# KiCad board popstar_v4.1_no_flex.kicad_pcb
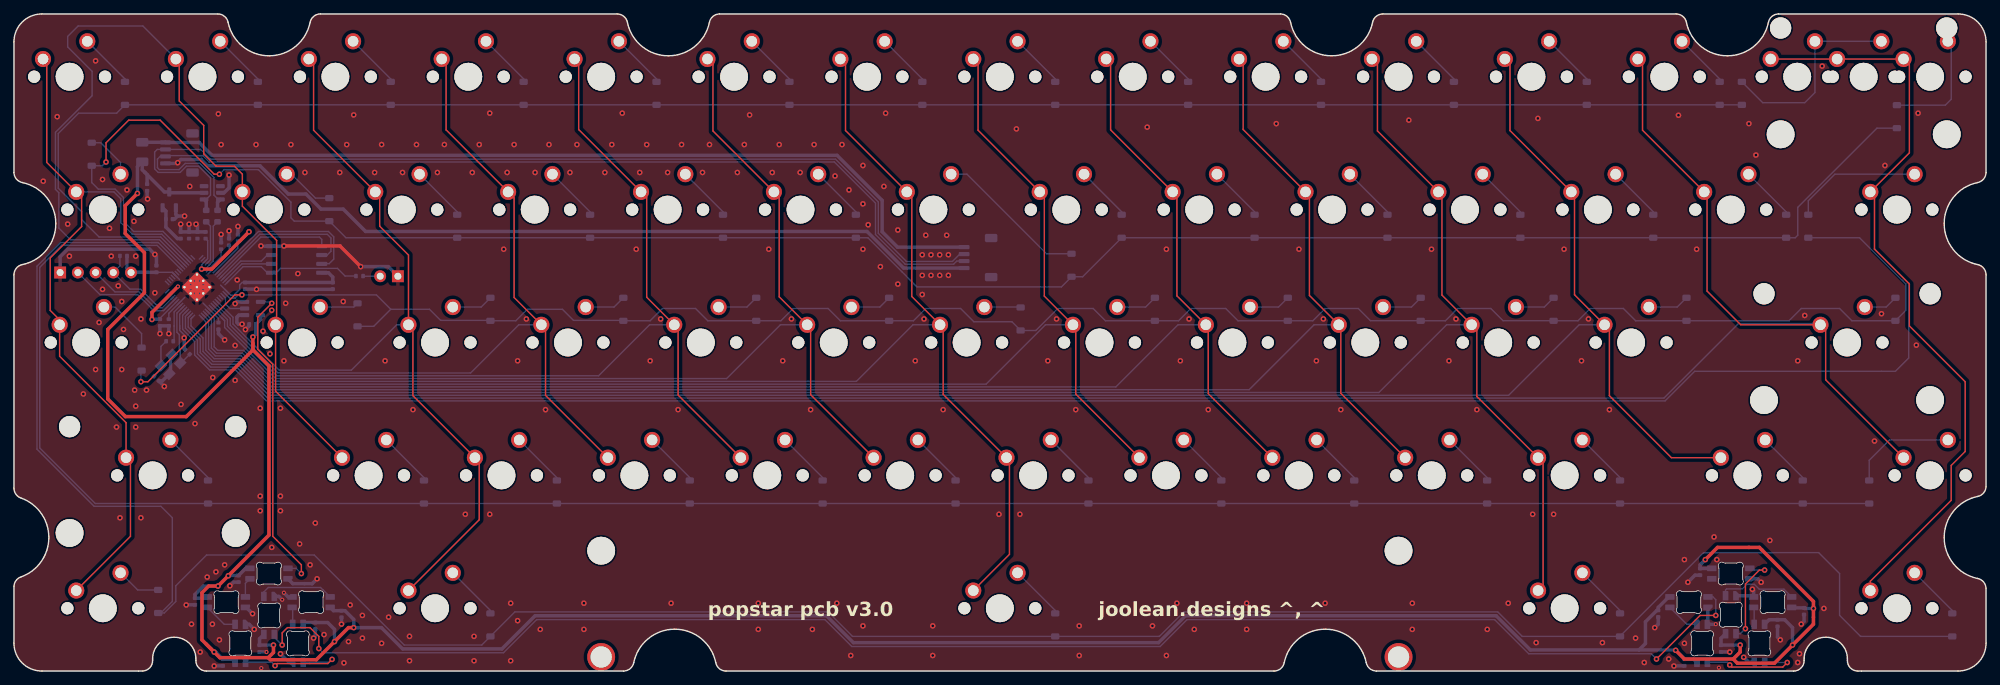
[diagram p0: board, top side]
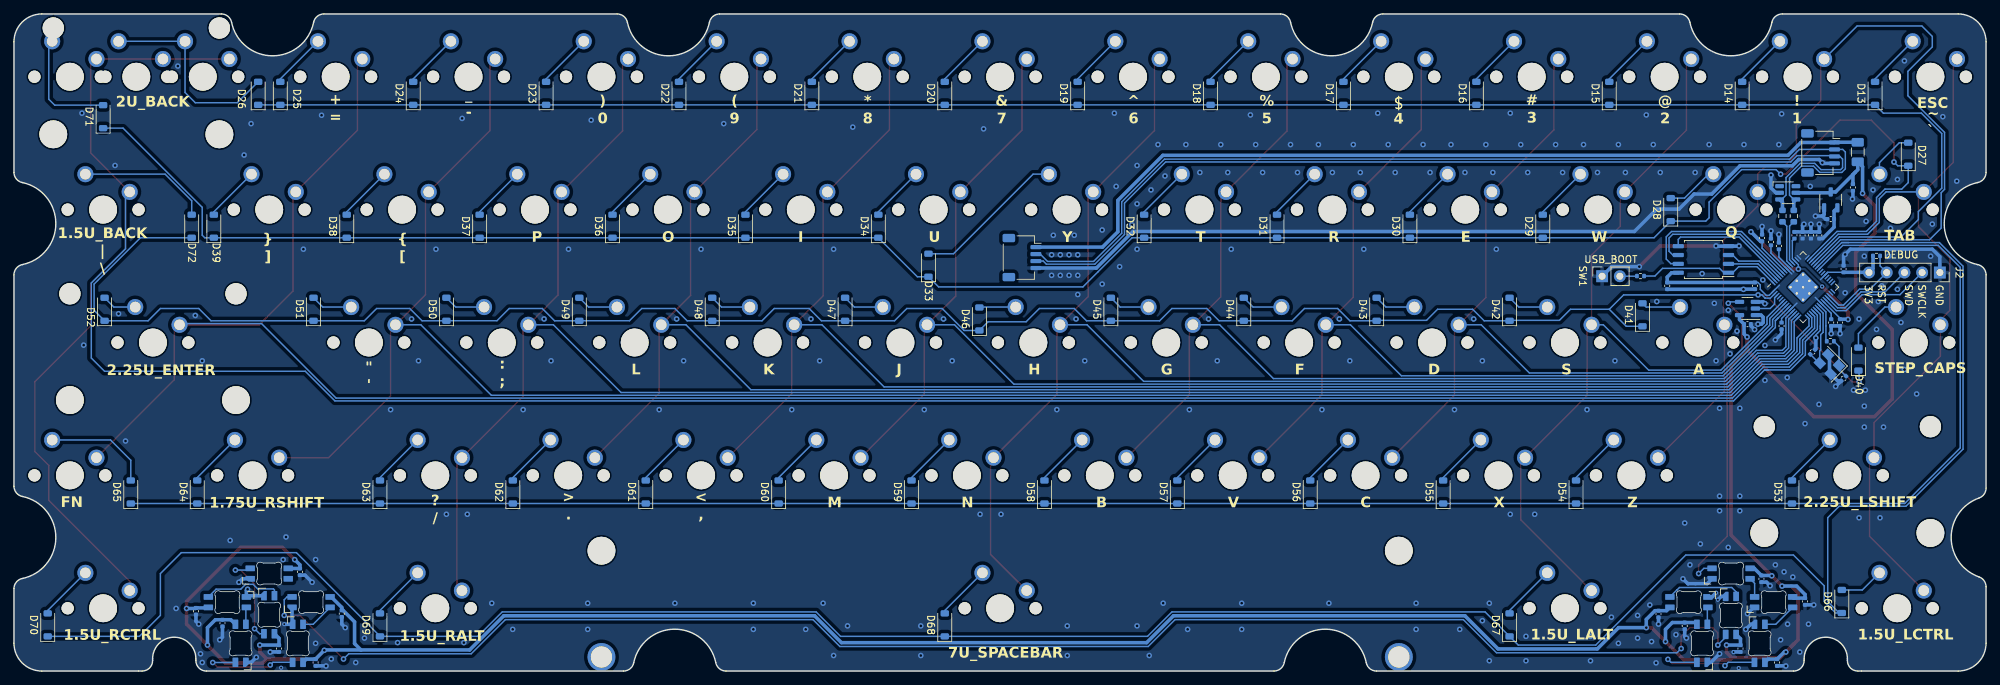
[diagram p1: board, bottom side, seen from below]

Outline 282.69 x 94.2 mm; copper layers: Top, Bottom. Coordinates in mm from the lower left corner of the outline.
Outline path: 0,90.2 arc(1.17,93.03) 4,94.2 29.23,94.2 arc(30.18,93.86) 30.7,93 arc(36.58,88.2) 42.45,93 arc(42.97,93.86) 43.92,94.2 86.47,94.2 arc(87.41,93.86) 87.93,93 arc(93.81,88.2) 99.69,93 arc(100.21,93.86) 101.16,94.2 181.53,94.2 arc(182.48,93.86) 183,93 arc(188.88,88.2) 194.76,93 arc(195.28,93.86) 196.23,94.2 238.27,94.2 arc(239.22,93.86) 239.74,93 arc(245.62,88.2) 251.5,93 arc(252.02,93.86) 252.97,94.2 278.69,94.2 arc(281.52,93.03) 282.69,90.2 282.69,71.5 arc(282.35,70.55) 281.49,70.03 arc(276.69,64.15) 281.49,58.27 arc(282.35,57.75) 282.69,56.8 282.69,26.5 arc(282.35,25.55) 281.49,25.03 arc(276.69,19.15) 281.49,13.27 arc(282.35,12.75) 282.69,11.8 282.69,4 arc(281.52,1.17) 278.69,0 264.31,0 arc(263.25,0.44) 262.81,1.5 262.81,1.75 arc(259.71,4.85) 256.61,1.75 256.61,1.5 arc(256.18,0.44) 255.11,0 195.32,0 arc(194.37,0.34) 193.85,1.2 arc(187.97,6) 182.09,1.2 arc(181.57,0.34) 180.62,0 102.07,0 arc(101.12,0.34) 100.6,1.2 arc(94.73,6) 88.85,1.2 arc(88.33,0.34) 87.38,0 27.58,0 arc(26.52,0.44) 26.08,1.5 26.08,1.75 arc(22.98,4.85) 19.88,1.75 19.88,1.5 arc(19.44,0.44) 18.38,0 4,0 arc(1.17,1.17) 0,4 0,12.08 arc(0.28,12.94) 1,13.49 arc(5,19.15) 1,24.81 arc(0.28,25.35) 0,26.22 0,56.8 arc(0.34,57.75) 1.2,58.27 arc(6,64.15) 1.2,70.03 arc(0.34,70.55) 0,71.5 0,90.2
Stack: Top 0.035mm / dielectric 1.51mm FR4 er 4.5 / Bottom 0.035mm

## Placement (name value [footprint] x y rotation side)
C1  1uF  [C_0402_1005Metric]  32.11 62.09 90 bottom
C2  100nF  [C_0402_1005Metric]  27.47 62.47 90 bottom
C3  100nF  [C_0402_1005Metric]  20.93 49.96 270 bottom
C4  10uF  [C_0402_1005Metric]  23.9 62.47 90 bottom
C5  1uF  [C_0402_1005Metric]  33.12 55.23 270 bottom
C6  100nF  [C_0402_1005Metric]  25.1 62.47 90 bottom
C7  100nF  [C_0402_1005Metric]  30.84 61.51 90 bottom
C8  100nF  [C_0402_1005Metric]  20.42 57.64 90 bottom
C9  100nF  [C_0402_1005Metric]  22.2 49.96 270 bottom
C10  100nF  [C_0402_1005Metric]  26.3 62.47 90 bottom
C11  100nF  [C_0402_1005Metric]  29.69 60.94 90 bottom
C12  100nF  [C_0402_1005Metric]  29.31 49.47 270 bottom
C13  22pF  [C_0402_1005Metric]  24.86 45.75 315 bottom
C14  22pF  [C_0402_1005Metric]  20.42 41.94 135 bottom
C15  1uF  [C_0402_1005Metric]  19.09 69.32 270 bottom
C16  1uF  [C_0402_1005Metric]  22.26 64.78 0 bottom
C17  100nF  [C_0402_1005Metric]  45.7 55.22 270 bottom
C18  100nF  [C_0402_1005Metric]  34.2 49.72 180 bottom
C19  100nF  [C_0402_1005Metric]  32.2 13.22 270 bottom
C20  100nF  [C_0402_1005Metric]  25.95 9.97 270 bottom
C21  100nF  [C_0402_1005Metric]  29.95 1.22 270 bottom
C22  100nF  [C_0402_1005Metric]  43.2 6.47 270 bottom
C23  100nF  [C_0402_1005Metric]  46.95 8.17 270 bottom
C24  100nF  [C_0402_1005Metric]  35.2 3.22 270 bottom
C25  100nF  [C_0402_1005Metric]  235.7 8.22 270 bottom
C26  100nF  [C_0402_1005Metric]  239.45 1.22 270 bottom
C27  100nF  [C_0402_1005Metric]  252.8 6.87 270 bottom
C28  100nF  [C_0402_1005Metric]  256.6 8.57 270 bottom
C29  100nF  [C_0402_1005Metric]  244.7 3.22 270 bottom
C30  100nF  [C_0402_1005Metric]  241.7 14.22 270 bottom
D1  SK6812MINI-E  [LED_6028R]  36.55 13.97 180 bottom
D2  SK6812MINI-E  [LED_6028R]  30.45 9.87 180 bottom
D3  SK6812MINI-E  [LED_6028R]  32.45 3.97 270 bottom
D4  SK6812MINI-E  [LED_6028R]  40.7 3.97 90 bottom
D5  SK6812MINI-E  [LED_6028R]  42.6 9.87 0 bottom
D6  SK6812MINI-E  [LED_6028R]  36.58 7.97 270 bottom
D7  SK6812MINI-E  [LED_6028R]  240.1 9.87 180 bottom
D8  SK6812MINI-E  [LED_6028R]  242 3.97 270 bottom
D9  SK6812MINI-E  [LED_6028R]  250.2 3.97 90 bottom
D10  SK6812MINI-E  [LED_6028R]  252.1 9.87 0 bottom
D11  SK6812MINI-E  [LED_6028R]  246.1 8.07 270 bottom
D12  SK6812MINI-E  [LED_6028R]  246.1 13.97 180 bottom
D13  D_Small  [D_SOD-123]  15.91 82.82 90 bottom
D14  D_Small  [D_SOD-123]  34.96 82.82 90 bottom
D15  D_Small  [D_SOD-123]  54.01 82.82 90 bottom
D16  D_Small  [D_SOD-123]  73.06 82.82 90 bottom
D17  D_Small  [D_SOD-123]  92.11 82.82 90 bottom
D18  D_Small  [D_SOD-123]  111.16 82.82 90 bottom
D19  D_Small  [D_SOD-123]  130.21 82.82 90 bottom
D20  D_Small  [D_SOD-123]  149.26 82.82 90 bottom
D21  D_Small  [D_SOD-123]  168.31 82.82 90 bottom
D22  D_Small  [D_SOD-123]  187.36 82.82 90 bottom
D23  D_Small  [D_SOD-123]  206.41 82.82 90 bottom
D24  D_Small  [D_SOD-123]  225.46 82.82 90 bottom
D25  D_Small  [D_SOD-123]  244.51 82.82 90 bottom
D26  D_Small  [D_SOD-123]  247.69 82.82 90 bottom
D27  D_Small  [D_SOD-123]  11.15 74.09 90 bottom
D28  D_Small  [D_SOD-123]  45.2 66.15 90 bottom
D29  D_Small  [D_SOD-123]  63.54 63.77 90 bottom
D30  D_Small  [D_SOD-123]  82.59 63.77 90 bottom
D31  D_Small  [D_SOD-123]  101.64 63.77 90 bottom
D32  D_Small  [D_SOD-123]  120.69 63.77 90 bottom
D33  D_Small  [D_SOD-123]  151.6 58.17 90 bottom
D34  D_Small  [D_SOD-123]  158.79 63.77 90 bottom
D35  D_Small  [D_SOD-123]  177.84 63.77 90 bottom
D36  D_Small  [D_SOD-123]  196.89 63.77 90 bottom
D37  D_Small  [D_SOD-123]  215.94 63.77 90 bottom
D38  D_Small  [D_SOD-123]  234.99 63.77 90 bottom
D39  D_Small  [D_SOD-123]  254.04 63.77 90 bottom
D40  D_Small  [D_SOD-123]  18.29 44.72 90 bottom
D41  D_Small  [D_SOD-123]  49.25 51.07 90 bottom
D42  D_Small  [D_SOD-123]  68.3 51.86 90 bottom
D43  D_Small  [D_SOD-123]  87.35 51.86 90 bottom
D44  D_Small  [D_SOD-123]  106.4 51.86 90 bottom
D45  D_Small  [D_SOD-123]  125.45 51.86 90 bottom
D46  D_Small  [D_SOD-123]  144.3 50.47 90 bottom
D47  D_Small  [D_SOD-123]  163.55 51.86 90 bottom
D48  D_Small  [D_SOD-123]  182.6 51.86 90 bottom
D49  D_Small  [D_SOD-123]  201.65 51.86 90 bottom
D50  D_Small  [D_SOD-123]  220.7 51.86 90 bottom
D51  D_Small  [D_SOD-123]  239.75 51.86 90 bottom
D52  D_Small  [D_SOD-123]  269.7 51.86 90 bottom
D53  D_Small  [D_SOD-123]  27.82 25.67 90 bottom
D54  D_Small  [D_SOD-123]  58.78 25.67 90 bottom
D55  D_Small  [D_SOD-123]  77.83 25.67 90 bottom
D56  D_Small  [D_SOD-123]  96.88 25.67 90 bottom
D57  D_Small  [D_SOD-123]  115.93 25.67 90 bottom
D58  D_Small  [D_SOD-123]  134.98 25.67 90 bottom
D59  D_Small  [D_SOD-123]  154.03 25.67 90 bottom
D60  D_Small  [D_SOD-123]  173.08 25.67 90 bottom
D61  D_Small  [D_SOD-123]  192.13 25.67 90 bottom
D62  D_Small  [D_SOD-123]  211.18 25.67 90 bottom
D63  D_Small  [D_SOD-123]  230.23 25.67 90 bottom
D64  D_Small  [D_SOD-123]  256.42 25.67 90 bottom
D65  D_Small  [D_SOD-123]  265.94 25.67 90 bottom
D66  D_Small  [D_SOD-123]  20.68 9.97 90 bottom
D67  D_Small  [D_SOD-123]  68.3 6.62 90 bottom
D68  D_Small  [D_SOD-123]  149.26 6.62 90 bottom
D69  D_Small  [D_SOD-123]  230.23 6.62 90 bottom
D70  D_Small  [D_SOD-123]  277.85 6.62 90 bottom
D71  D_Small  [D_SOD-123]  269.91 79.47 90 bottom
D72  D_Small  [D_SOD-123]  257.21 63.77 90 bottom
F1  500mA  [Fuse_1206_3216Metric]  18.39 74.4 270 bottom
J1  JST SH 4-pin  [JST_SH_SM04B-SRSS-TB_1x04-1MP_P1.00mm_Horizontal]  23.72 74.28 270 bottom
J2  SWD  [PinSocket_1x05_P2.54mm_Vertical]  6.62 57.13 270 bottom
J2#2  JST SH 4-pin  [JST_SH_SM04B-SRSS-TB_1x04-1MP_P1.00mm_Horizontal]  138.2 59.27 270 bottom
R1  10k  [R_0402_1005Metric]  15.7 59.51 180 bottom
R2  27R  [R_0603_1608Metric]  29.18 65.22 270 bottom
R3  27R  [R_0603_1608Metric]  27.56 65.22 270 bottom
R4  1k  [R_0402_1005Metric]  22.32 47.28 0 bottom
R5  1k  [R_0402_1005Metric]  49.53 56.62 180 bottom
S1  2U_BACKSPACE  [STAB_MX_2u]  265.15 85.2 0 top
S2  2.25_ANSI_ENTER  [STAB_MX_2.25u]  262.77 47.1 0 top
S3  7U_SPACEBAR  [STAB_MX_P_7u]  141.33 9 180 top
S4  2.25_LEFT_SHIFT  [STAB_MX_2.25u]  19.88 28.05 0 top
SW1  Boot  [PinSocket_1x02_P2.54mm_Vertical]  55.04 56.6 90 bottom
SW2  MX_SW_solder  [SW_MX_1u]  7.98 85.2 0 top
SW3  MX_SW_solder  [SW_MX_1u]  27.03 85.2 0 top
SW4  MX_SW_solder  [SW_MX_1u]  46.08 85.2 0 top
SW5  MX_SW_solder  [SW_MX_1u]  65.13 85.2 0 top
SW6  MX_SW_solder  [SW_MX_1u]  84.18 85.2 0 top
SW7  MX_SW_solder  [SW_MX_1u]  103.23 85.2 0 top
SW8  MX_SW_solder  [SW_MX_1u]  122.28 85.2 0 top
SW9  MX_SW_solder  [SW_MX_1u]  141.33 85.2 0 top
SW10  MX_SW_solder  [SW_MX_1u]  160.38 85.2 0 top
SW11  MX_SW_solder  [SW_MX_1u]  179.43 85.2 0 top
SW12  MX_SW_solder  [SW_MX_1u]  198.48 85.2 0 top
SW13  MX_SW_solder  [SW_MX_1u]  217.53 85.2 0 top
SW14  MX_SW_solder  [SW_MX_1u]  236.58 85.2 0 top
SW15  MX_SW_solder  [SW_MX_1u]  265.15 85.2 0 top
SW16  MX_SW_solder  [SW_MX_1u]  255.63 85.2 0 top
SW17  MX_SW_solder  [SW_MX_1.5u]  12.74 66.15 0 top
SW18  MX_SW_solder  [SW_MX_1u]  36.55 66.15 0 top
SW19  MX_SW_solder  [SW_MX_1u]  55.6 66.15 0 top
SW20  MX_SW_solder  [SW_MX_1u]  74.65 66.15 0 top
SW21  MX_SW_solder  [SW_MX_1u]  93.7 66.15 0 top
SW22  MX_SW_solder  [SW_MX_1u]  112.75 66.15 0 top
SW23  MX_SW_solder  [SW_MX_1u]  131.8 66.15 0 top
SW24  MX_SW_solder  [SW_MX_1u]  150.85 66.15 0 top
SW25  MX_SW_solder  [SW_MX_1u]  169.9 66.15 0 top
SW26  MX_SW_solder  [SW_MX_1u]  188.95 66.15 0 top
SW27  MX_SW_solder  [SW_MX_1u]  208 66.15 0 top
SW28  MX_SW_solder  [SW_MX_1u]  227.05 66.15 0 top
SW29  MX_SW_solder  [SW_MX_1u]  246.1 66.15 0 top
SW30  MX_SW_solder  [SW_MX_1.75u_stp]  10.36 47.1 0 top
SW31  MX_SW_solder  [SW_MX_1u]  41.31 47.1 0 top
SW32  MX_SW_solder  [SW_MX_1u]  60.36 47.1 0 top
SW33  MX_SW_solder  [SW_MX_1u]  79.41 47.1 0 top
SW34  MX_SW_solder  [SW_MX_1u]  98.46 47.1 0 top
SW35  MX_SW_solder  [SW_MX_1u]  117.51 47.1 0 top
SW36  MX_SW_solder  [SW_MX_1u]  136.56 47.1 0 top
SW37  MX_SW_solder  [SW_MX_1u]  155.61 47.1 0 top
SW38  MX_SW_solder  [SW_MX_1u]  174.66 47.1 0 top
SW39  MX_SW_solder  [SW_MX_1u]  193.71 47.1 0 top
SW40  MX_SW_solder  [SW_MX_1u]  212.76 47.1 0 top
SW41  MX_SW_solder  [SW_MX_1u]  231.81 47.1 0 top
SW42  MX_SW_solder  [SW_MX_1u]  262.77 47.1 0 top
SW43  MX_SW_solder  [SW_MX_1u]  19.88 28.05 0 top
SW44  MX_SW_solder  [SW_MX_1u]  50.84 28.05 0 top
SW45  MX_SW_solder  [SW_MX_1u]  69.89 28.05 0 top
SW46  MX_SW_solder  [SW_MX_1u]  88.94 28.05 0 top
SW47  MX_SW_solder  [SW_MX_1u]  107.99 28.05 0 top
SW48  MX_SW_solder  [SW_MX_1u]  127.04 28.05 0 top
SW49  MX_SW_solder  [SW_MX_1u]  146.09 28.05 0 top
SW50  MX_SW_solder  [SW_MX_1u]  165.14 28.05 0 top
SW51  MX_SW_solder  [SW_MX_1u]  184.19 28.05 0 top
SW52  MX_SW_solder  [SW_MX_1u]  203.24 28.05 0 top
SW53  MX_SW_solder  [SW_MX_1u]  222.29 28.05 0 top
SW54  MX_SW_solder  [SW_MX_1.75u]  248.48 28.05 0 top
SW55  MX_SW_solder  [SW_MX_1u]  274.68 28.05 0 top
SW56  MX_SW_solder  [SW_MX_1.5u]  12.74 9 0 top
SW57  MX_SW_solder  [SW_MX_1.5u]  60.36 9 0 top
SW58  MX_SW_solder  [SW_MX_1u]  141.33 9 0 top
SW59  MX_SW_solder  [SW_MX_1.5u]  222.29 9 0 top
SW60  MX_SW_solder  [SW_MX_1.5u]  269.91 9 0 top
SW61  MX_SW_solder  [SW_MX_1u]  274.68 85.2 0 top
SW62  MX_SW_solder  [SW_MX_1.5u]  269.91 66.15 0 top
U2  XC6206PxxxMR  [SOT-23-3]  22.26 67.55 90 bottom
U3  SRV05-4  [SOT-23-6-routable]  28.42 68.56 180 bottom
U4  W25Q128JVS  [SOIC-8_5.23x5.23mm_P1.27mm]  40.52 59.01 0 bottom
U5  74AHCT1G125  [SOT-23-5]  34.2 51.97 0 bottom
U6  RP2040  [RP2040-QFN-56]  26.23 55.04 135 bottom
Y1  12MHz  [Crystal_SMD_3225-4Pin_3.2x2.5mm]  22.45 43.97 45 bottom

## Library data of the parts
C1 C5 C15 C16 = -: Description: Unpolarized capacitor, small symbol; LCSC: C52923
C2 C3 C6 C9-C12 C17-C30 = -: Description: Unpolarized capacitor, small symbol; LCSC: C1525
C4 = -: Description: Unpolarized capacitor, small symbol; LCSC: C15525
C7 C8 = -: Description: Unpolarized capacitor, small symbol; LCSC: 1525
C13 C14 = -: Description: Unpolarized capacitor, small symbol; LCSC: C1555
D1-D12 = -: Description: Reverse mount adressable LED (WS2812 protocol); LCSC: C5149201; Field5: 1
D13-D72 = -: Description: Diode, small symbol; LCSC: C81598
F1 = -: Description: Resettable fuse, polymeric positive temperature coefficient, small symbol; LCSC: C135342
J1 J2#2 = -: Description: Generic connector, single row, 01x04, script generated (kicad-library-utils/schlib/autogen/connector/); LCSC: C160404
J2 = -: Description: Generic connector, single row, 01x05, script generated (kicad-library-utils/schlib/autogen/connector/)
R1 = -: Description: Resistor, small symbol; LCSC: C25744
R2 R3 = -: Description: Resistor, small symbol; LCSC: C25190
R4 R5 = -: Description: Resistor, small symbol; LCSC: C11702
S1-S4 = -: Description: Cherry MX-style stabilizer
SW1 = -: Description: Push button switch, generic, two pins
SW2-SW62 = -: Description: Push button switch, normally open, two pins, 45° tilted
U2 = -: Description: Positive 60-250mA Low Dropout Regulator, Fixed Output, SOT-23; LCSC: C5446
U3 = -: Description: ESD Protection Diodes with Low Clamping Voltage, SOT-23-6; LCSC: C85364
U4 = -: Description: 128Mb Serial Flash Memory, Standard/Dual/Quad SPI, SOIC-8; LCSC: C97521
U5 = -: Description: Single Buffer Gate Tri-State, Low-Voltage CMOS; LCSC: C7484
U6 = -: LCSC: C2040
Y1 = -: Description: Four pin crystal, GND on pins 2 and 4, small symbol; LCSC: C9002

## Footprints (pads in the part's own frame, mm; a bottom-side part is the same pattern mirrored in y, then rotated)
C_0402_1005Metric
  rrect 0.56x0.62 smd: 1(-0.48,0) 2(0.48,0)
Crystal_SMD_3225-4Pin_3.2x2.5mm
  rect 1.4x1.2 smd: 1(-1.1,-0.85) 2(1.1,-0.85) 3(1.1,0.85) 4(-1.1,0.85)
D_SOD-123
  rrect 0.9x1.2 smd: 1(-1.65,0) 2(1.65,0)
Fuse_1206_3216Metric
  rrect 1.25x1.75 smd: 1(-1.4,0) 2(1.4,0)
JST_SH_SM04B-SRSS-TB_1x04-1MP_P1.00mm_Horizontal
  rrect 0.6x1.55 smd: 1(-1.5,2) 2(-0.5,2) 3(0.5,2) 4(1.5,2)
  rrect 1.2x1.8 smd: MP(-2.8,-1.875) MP(2.8,-1.875)
LED_6028R
  rrect 1.35x0.82 smd: 1(2.725,0.75) 2(2.725,-0.75) 3(-2.725,0.75) 4(-2.725,-0.75)
PinSocket_1x02_P2.54mm_Vertical
  rect 1.7x1.7 hole 1: 1(0,0)
  oval 1.7x1.7 hole 1: 2(0,-2.54)
PinSocket_1x05_P2.54mm_Vertical
  rect 1.7x1.7 hole 1: 1(0,0)
  oval 1.7x1.7 hole 1: 2(0,-2.54) 3(0,-5.08) 4(0,-7.62) 5(0,-10.16)
R_0402_1005Metric
  rrect 0.54x0.64 smd: 1(-0.51,0) 2(0.51,0)
R_0603_1608Metric
  rrect 0.8x0.95 smd: 1(-0.825,0) 2(0.825,0)
RP2040-QFN-56
  rrect 1.084x1.084 smd: (-0.637,-0.637) (-0.637,0.637) (0.637,-0.637) (0.637,0.637)
  rrect 0.875x0.2 smd: 1(-3.438,2.6) 2(-3.438,2.2) 3(-3.438,1.8) 4(-3.438,1.4) 5(-3.438,1) 6(-3.438,0.6) 7(-3.438,0.2) 8(-3.438,-0.2) 9(-3.438,-0.6) 10(-3.438,-1) 11(-3.438,-1.4) 12(-3.438,-1.8) 13(-3.438,-2.2) 14(-3.438,-2.6) 29(3.438,-2.6) 30(3.438,-2.2) 31(3.438,-1.8) 32(3.438,-1.4) 33(3.438,-1) 34(3.438,-0.6) 35(3.438,-0.2) 36(3.438,0.2) 37(3.438,0.6) 38(3.438,1) 39(3.438,1.4) 40(3.438,1.8) 41(3.438,2.2) 42(3.438,2.6)
  rrect 0.2x0.875 smd: 15(-2.6,-3.438) 16(-2.2,-3.438) 17(-1.8,-3.438) 18(-1.4,-3.438) 19(-1,-3.438) 20(-0.6,-3.438) 21(-0.2,-3.438) 22(0.2,-3.438) 23(0.6,-3.438) 24(1,-3.438) 25(1.4,-3.438) 26(1.8,-3.438) 27(2.2,-3.438) 28(2.6,-3.438) 43(2.6,3.438) 44(2.2,3.438) 45(1.8,3.438) 46(1.4,3.438) 47(1,3.438) 48(0.6,3.438) 49(0.2,3.438) 50(-0.2,3.438) 51(-0.6,3.438) 52(-1,3.438) 53(-1.4,3.438) 54(-1.8,3.438) 55(-2.2,3.438) 56(-2.6,3.438)
  round 0.6 hole 0.35: 57(-1.275,-1.275) 57(-1.275,0) 57(-1.275,1.275) 57(0,-1.275) 57(0,0) 57(0,1.275) 57(1.275,-1.275) 57(1.275,0) 57(1.275,1.275)
  rrect 3.2x3.2 smd: 57(0,0)
SOIC-8_5.23x5.23mm_P1.27mm
  rrect 1.6x0.6 smd: 1(-3.6,1.905) 2(-3.6,0.635) 3(-3.6,-0.635) 4(-3.6,-1.905) 5(3.6,-1.905) 6(3.6,-0.635) 7(3.6,0.635) 8(3.6,1.905)
SOT-23-3
  rrect 1.325x0.6 smd: 1(-1.137,0.95) 2(-1.137,-0.95) 3(1.137,0)
SOT-23-5
  rrect 1.325x0.6 smd: 1(-1.137,0.95) 2(-1.137,0) 3(-1.137,-0.95) 4(1.137,-0.95) 5(1.137,0.95)
SOT-23-6-routable
  rrect 1.25x0.6 smd: 1(-1.175,0.95) 2(-1.175,0) 3(-1.175,-0.95) 4(1.175,-0.95) 5(1.175,0) 6(1.175,0.95)
STAB_MX_2.25u
  round 3.048 hole 3.048 unplated: (-11.906,6.985) (11.906,6.985)
  round 3.988 hole 3.988 unplated: (-11.906,-8.255) (11.906,-8.255)
STAB_MX_2u
  round 3.048 hole 3.048 unplated: (-11.906,6.985) (11.906,6.985)
  round 3.988 hole 3.988 unplated: (-11.906,-8.255) (11.906,-8.255)
STAB_MX_P_7u
  round 4 hole 3.048: (-57.15,6.985) (57.15,6.985)
  round 3.988 hole 3.988 unplated: (-57.15,-8.255) (57.15,-8.255)
SW_MX_1.5u
  round 1.75 hole 1.75 unplated: (-5.08,0) (5.08,0)
  round 3.988 hole 3.988 unplated: (0,0)
  round 2.3 hole 1.524: 1(-3.81,2.54) 2(2.54,5.08)
SW_MX_1.75u
  round 1.75 hole 1.75 unplated: (-5.08,0) (5.08,0)
  round 3.988 hole 3.988 unplated: (0,0)
  round 2.3 hole 1.524: 1(-3.81,2.54) 2(2.54,5.08)
SW_MX_1.75u_stp
  round 1.75 hole 1.75 unplated: (-5.08,0) (5.08,0)
  round 3.988 hole 3.988 unplated: (0,0)
  round 2.3 hole 1.524: 1(-3.81,2.54) 2(2.54,5.08)
SW_MX_1u
  round 1.75 hole 1.75 unplated: (-5.08,0) (5.08,0)
  round 3.988 hole 3.988 unplated: (0,0)
  round 2.3 hole 1.524: 1(-3.81,2.54) 2(2.54,5.08)

## Nets
+1V1: C1.1 C2.1 C3.1 U6.23 U6.45 U6.50
+3V3: C4.1 C5.1 C6.1 C7.1 C8.1 C9.1 C10.1 C11.1 C12.1 C16.1 C17.1 J2.5 R1.1 U2.2 U4.8 U6.1 U6.10 U6.22 U6.33 U6.42 U6.43 U6.44 U6.48 U6.49
+5V: C15.1 C18.1 C19.1 C20.1 C21.1 C22.1 C23.1 C24.1 C25.1 C26.1 C27.1 C28.1 C29.1 C30.1 D1.1 D2.1 D3.1 D4.1 D5.1 D6.1 D7.1 D8.1 D9.1 D10.1 D11.1 D12.1 F1.2 U2.3 U3.5 U5.5
GND: C1.2 C2.2 C3.2 C4.2 C5.2 C6.2 C7.2 C8.2 C9.2 C10.2 C11.2 C12.2 C13.1 C14.1 C15.2 C16.2 C17.2 C18.2 C19.2 C20.2 C21.2 C22.2 C23.2 C24.2 C25.2 C26.2 C27.2 C28.2 C29.2 C30.2 D1.4 D2.4 D3.4 D4.4 D5.4 D6.4 D7.4 D8.4 D9.4 D10.4 D11.4 D12.4 J1.4 J2.1 J2#2.4 SW1.1 U2.1 U3.2 U4.4 U5.1 U5.3 U6.19 U6.57 Y1.2 Y1.4
VBUS: F1.1 J1.1 J2#2.1
/D_+: R2.2 U6.47
/D_-: R3.2 U6.46
/XTAL_O: C14.2 R4.1 Y1.1
/~{USB_BOOT}: R5.1 SW1.2
ARGB_3V3: U5.2 U6.3
ARGB_5V: D1.3 U5.4
COL00: SW2.1 SW17.1 SW30.1 SW43.1 SW56.1 U6.40
COL01: SW3.1 SW18.1 SW31.1 SW44.1 U6.38
COL02: SW4.1 SW19.1 SW32.1 SW45.1 SW57.1 U6.6
COL03: SW5.1 SW20.1 SW33.1 SW46.1 U6.7
COL04: SW6.1 SW21.1 SW34.1 SW47.1 U6.8
COL05: SW7.1 SW22.1 SW35.1 SW48.1 U6.9
COL06: SW8.1 SW23.1 SW36.1 SW49.1 SW58.1 U6.11
COL07: SW9.1 SW24.1 SW37.1 SW50.1 U6.12
COL08: SW10.1 SW25.1 SW38.1 SW51.1 U6.13
COL09: SW11.1 SW26.1 SW39.1 SW52.1 U6.14
COL10: SW12.1 SW27.1 SW40.1 SW53.1 SW59.1 U6.15
COL11: SW13.1 SW28.1 SW41.1 SW54.1 U6.16
COL12: SW14.1 SW29.1 SW42.1 SW55.1 U6.17
COL13: SW15.1 SW16.1 SW60.1 SW61.1 SW62.1 U6.18
CS: R5.2 U4.1 U6.56
D_N: J1.2 J2#2.2 R3.1 U3.4
D_P: J1.3 J2#2.3 R2.1 U3.3
QSPI_CLK: U4.6 U6.52
ROW0: D13.1 D14.1 D15.1 D16.1 D17.1 D18.1 D19.1 D20.1 D21.1 D22.1 D23.1 D24.1 D25.1 D26.1 U6.39
ROW1: D27.1 D28.1 D29.1 D30.1 D31.1 D32.1 D33.1 D34.1 D35.1 D36.1 D37.1 D38.1 D39.1 D71.1 U6.41
ROW2: D40.1 D41.1 D42.1 D43.1 D44.1 D45.1 D46.1 D47.1 D48.1 D49.1 D50.1 D51.1 D52.1 D72.1 U6.2
ROW3: D53.1 D54.1 D55.1 D56.1 D57.1 D58.1 D59.1 D60.1 D61.1 D62.1 D63.1 D64.1 D65.1 U6.36
ROW4: D66.1 D67.1 D68.1 D69.1 D70.1 U6.37
SD0: U4.5 U6.53
SD1: U4.2 U6.55
SD2: U4.3 U6.54
SD3: U4.7 U6.51
SWCLK: J2.2 U6.24
SWD: J2.3 U6.25
XTAL_IN: C13.2 U6.20 Y1.3
XTAL_OUT: R4.2 U6.21
~{RESET}: J2.4 R1.2 U6.26
Net-(D1-DOUT): D1.2 D2.3
Net-(D2-DOUT): D2.2 D3.3
Net-(D3-DOUT): D3.2 D4.3
Net-(D4-DOUT): D4.2 D5.3
Net-(D5-DOUT): D5.2 D6.3
Net-(D6-DOUT): D6.2 D7.3
Net-(D7-DOUT): D7.2 D8.3
Net-(D8-DOUT): D8.2 D9.3
Net-(D10-DIN): D9.2 D10.3
Net-(D10-DOUT): D10.2 D11.3
Net-(D11-DOUT): D11.2 D12.3
Net-(D13-A): D13.2 SW2.2
Net-(D14-A): D14.2 SW3.2
Net-(D15-A): D15.2 SW4.2
Net-(D16-A): D16.2 SW5.2
Net-(D17-A): D17.2 SW6.2
Net-(D18-A): D18.2 SW7.2
Net-(D19-A): D19.2 SW8.2
Net-(D20-A): D20.2 SW9.2
Net-(D21-A): D21.2 SW10.2
Net-(D22-A): D22.2 SW11.2
Net-(D23-A): D23.2 SW12.2
Net-(D24-A): D24.2 SW13.2
Net-(D25-A): D25.2 SW14.2
Net-(D26-A): D26.2 SW15.2 SW16.2
Net-(D27-A): D27.2 SW17.2
Net-(D28-A): D28.2 SW18.2
Net-(D29-A): D29.2 SW19.2
Net-(D30-A): D30.2 SW20.2
Net-(D31-A): D31.2 SW21.2
Net-(D32-A): D32.2 SW22.2
Net-(D33-A): D33.2 SW23.2
Net-(D34-A): D34.2 SW24.2
Net-(D35-A): D35.2 SW25.2
Net-(D36-A): D36.2 SW26.2
Net-(D37-A): D37.2 SW27.2
Net-(D38-A): D38.2 SW28.2
Net-(D39-A): D39.2 SW29.2
Net-(D40-A): D40.2 SW30.2
Net-(D41-A): D41.2 SW31.2
Net-(D42-A): D42.2 SW32.2
Net-(D43-A): D43.2 SW33.2
Net-(D44-A): D44.2 SW34.2
Net-(D45-A): D45.2 SW35.2
Net-(D46-A): D46.2 SW36.2
Net-(D47-A): D47.2 SW37.2
Net-(D48-A): D48.2 SW38.2
Net-(D49-A): D49.2 SW39.2
Net-(D50-A): D50.2 SW40.2
Net-(D51-A): D51.2 SW41.2
Net-(D52-A): D52.2 SW42.2
Net-(D53-A): D53.2 SW43.2
Net-(D54-A): D54.2 SW44.2
Net-(D55-A): D55.2 SW45.2
Net-(D56-A): D56.2 SW46.2
Net-(D57-A): D57.2 SW47.2
Net-(D58-A): D58.2 SW48.2